# KiCad board enclosurefinal01.kicad_pcb (continued)
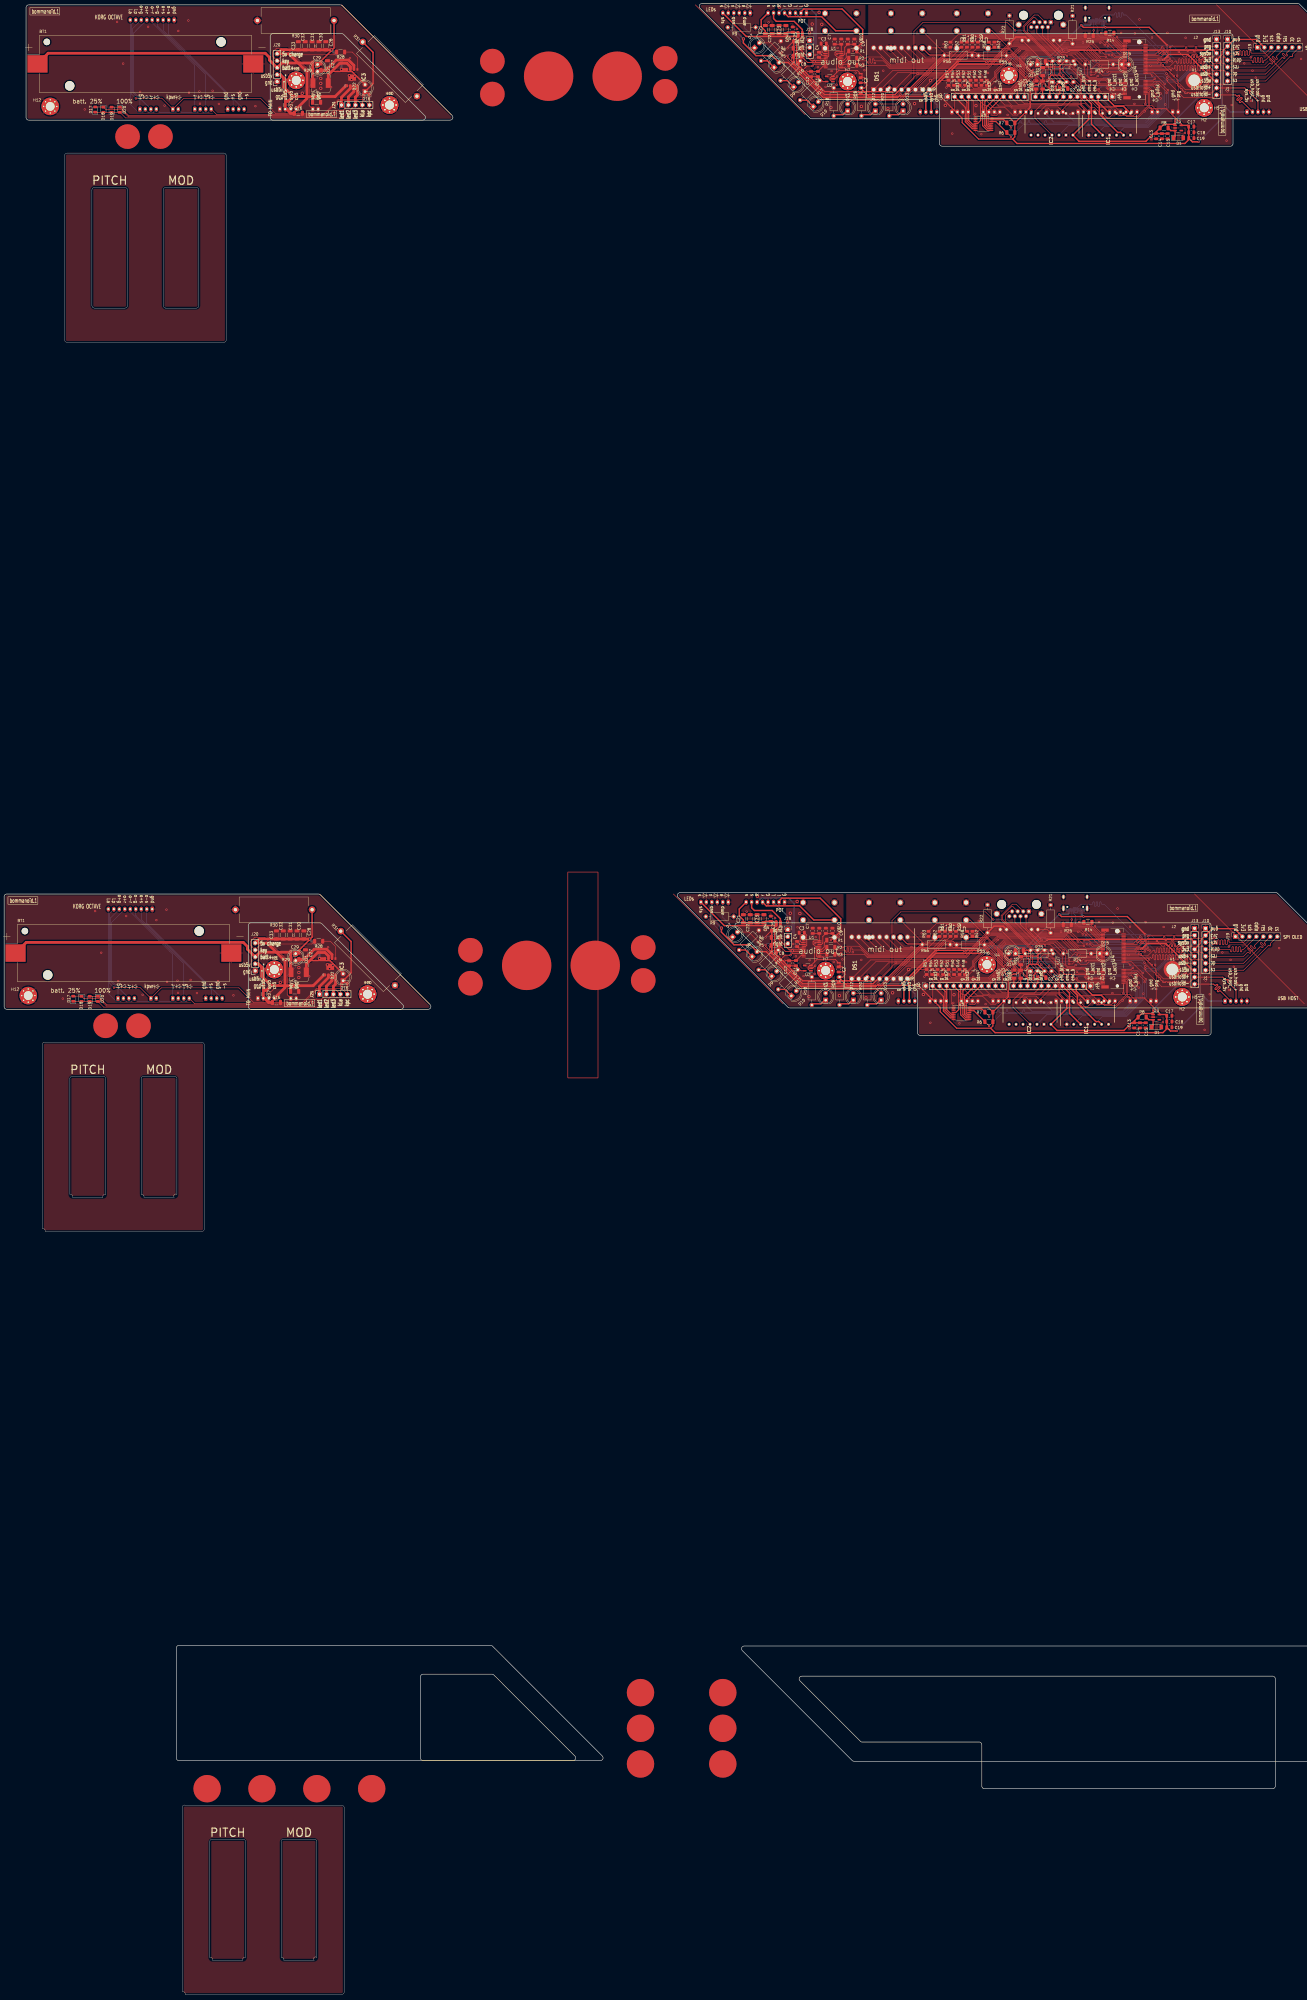
[diagram p0: board, top side]
## Routing (per net, layer and track width the routed paths; a pad name or vN(x,y) marks a point on that pad's centre or on a via; arc(x,y) is an arc through that point) (continued)
/bommanoid_main_top/3v3: length 498.7
  Top w0.3: v1(416.06,688.9) 416.11,688.96 U4#2.2 ; NT1.1 312.76,699 C2#2.1 313.66,698.5 314.6,697.55 314.6,695.65 313.66,694.7 C1.1 ; v1(417.91,687.44) 418.21,687.14 423.67,687.14 429.15,681.66 U3#2.5 ; v1(409.91,363.44) 410.21,363.14 415.67,363.14 421.15,357.66 U3.5 ; C1#2.1 305.66,370.7 306.6,371.65 306.6,373.55 305.66,374.5 C2.1 304.76,375 NT1#2.1 ; U4.2 408.11,364.96 v1(408.06,364.9)
  Top w0.4: R11.1 R12#2.2 377.04,695.7 375.46,695.7 374.06,694.3 374.06,687.59 R7#2.2 ; U5.16 358.69,359.78 R7.2 ; C1.1 315.26,691.7 341.26,691.7 349.26,683.7 349.26,682.1 355.26,676.1 367.66,676.1 368.46,676.91 R6#2.2 R7#2.2 ; R11#2.1 R12.2 369.04,371.7 367.46,371.7 366.06,370.3 366.06,363.59 R7.2 ; R7.2 R6.2 360.46,352.91 359.66,352.1 347.26,352.1 341.26,358.1 341.26,359.7 333.26,367.7 307.26,367.7 C1#2.1 ; U5#2.16 366.69,683.78 R7#2.2
  Top w0.5: C19.1 C17.1 423.39,357.1 U3.5 ; C19.1 425.19,351.1 v1(427.46,351.1) ; C19.1 423.84,351.88 422.46,350.5 361.26,350.5 359.66,352.1 ; C19#2.1 431.84,675.88 430.46,674.5 369.26,674.5 367.66,676.1 ; C19#2.1 433.19,675.1 v1(435.46,675.1) ; C19#2.1 C17#2.1 431.39,681.1 U3#2.5
  Bottom w0.3: v1(408.06,364.9) 409.51,363.44 v1(409.91,363.44) ; v1(416.06,688.9) 417.51,687.44 v1(417.91,687.44)
  Bottom w0.4: 446,710.04 444.75,708.79 444.75,707.78 442,705.03 ; 434,381.03 436.75,383.78 436.75,384.79 438,386.04
  Bottom w0.5: v1(435.46,675.1) 444.06,683.7 444.06,702.83 J2#2.4 ; J2.4 436.06,378.83 436.06,359.7 v1(427.46,351.1)
/bommanoid_main_top/a3v3: length 59
  Top w0.3: v1(291.46,385.1) 291.51,385.04 U1#2.1 ; v1(299.46,709.1) 299.51,709.04 U1.1 ; U1#2.8 287.33,379.38 v1(286.66,378.7) 284.66,378.7 283.46,377.5 283.46,376.1 284.71,374.85 C12.1 C11#2.1 290.48,373.05 U2#2.5 ; U1.8 295.33,703.38 v1(294.66,702.7) 292.66,702.7 291.46,701.5 291.46,700.1 292.71,698.85 C12#2.1 C11.1 298.48,697.05 U2.5
  Bottom w0.3: v1(294.66,702.7) 294.66,704.3 v1(299.46,709.1) ; v1(291.46,385.1) 286.66,380.3 v1(286.66,378.7)
/bommanoid_main_top/agnd: length 15.8
  Top w0.3: v1(292.46,700.7) 292.51,700.75 C12#2.2 C11.2 298.65,702.73 U1.9 ; U1#2.9 290.65,378.73 C11#2.2 C12.2 284.51,376.75 v1(284.46,376.7)
  vias: v1(275.66,383.7) v1(277.46,387.9) v1(280.86,377.7) v1(283.66,707.7) v1(285.46,711.9) v1(287.6,382.8) v1(288.66,378.3) v1(288.86,701.7) v1(289.26,388.9) v1(291.46,371.1) v1(295.6,706.8) v1(296.66,702.3) v1(297.26,712.9) v1(299.46,695.1)
/bommanoid_main_top/d3v3: length 61.8
  Top w0.3: NT1#2.2 303.76,376.4 303.06,377.1 296.29,377.1 295.47,376.28 ; U1.17 304.51,705.98 ; 304.51,705.98 303.72,705.98 302.91,706.79 302.91,707.61 303.22,707.93 U1.20 305.18,707.99 C10.2 C7#2.2 ; 304.51,705.98 304.46,705.98 303.47,704.99 303.47,700.28 ; 301.72,698.95 301.13,698.36 301.13,697.64 301.72,697.05 ; C7.2 C10#2.2 297.18,383.99 U1#2.20 295.22,383.93 294.91,383.61 294.91,382.79 295.72,381.98 296.51,381.98 ; 303.47,700.28 U2.3 ; 303.47,700.28 304.29,701.1 311.06,701.1 311.76,700.4 NT1.2 ; 293.72,373.05 293.13,373.64 293.13,374.36 293.72,374.95 ; 295.47,376.28 295.47,380.99 296.46,381.98 296.51,381.98 ; 295.47,376.28 U2#2.3 ; 296.51,381.98 U1#2.17
/bommanoid_main_top/gnd: length 162.1
  Top w0.2: 399.94,386.75 397.66,389.03 v1(397.66,389.3) ; v1(402.46,694.3) 403.01,693.75 U4#2.7 ; U4.7 395.01,369.75 v1(394.46,370.3) ; U4#2.45 399.41,703.25 v1(399.06,702.9) ; U4.39 392.91,377.75 v1(391.46,376.3) 392.35,375.4 394.54,375.4 395.39,376.25 U4.33 ; U4#2.39 400.91,701.75 v1(399.46,700.3) 400.35,699.4 402.54,699.4 403.39,700.25 U4#2.33 ; U5.3 U5.1 ; U4.1 396.69,368.25 ; U5#2.3 U5#2.1 ; v1(418.46,375.1) 416.56,377 U4.36 ; U4#2.36 424.56,701 v1(426.46,699.1) ; v1(405.66,713.3) 405.66,713.03 407.94,710.75 ; U4#2.1 404.69,692.25 ; U4.45 391.41,379.25 v1(391.06,378.9)
  Top w0.3: U1#2.19 295.83,383.28 v1(295.66,383.1) ; v1(313.86,696.5) 313.76,696.6 C2#2.2 ; v1(295.66,374.9) 294.76,374 U2#2.2 ; v1(305.86,372.5) 305.76,372.6 C2.2 ; U1.16 304.51,705.33 304.15,704.96 304.15,702.44 304.51,702.08 U1.11 306.63,702.08 v1(306.66,702.1) ; v1(298.66,378.1) 298.63,378.08 U1#2.11 296.51,378.08 296.15,378.44 296.15,380.96 296.51,381.33 U1#2.16 ; U2.2 302.76,698 v1(303.66,698.9) ; U1.19 303.83,707.28 v1(303.66,707.1)
  Bottom w0.2: J3#2.1 403.94,692.82 v1(402.46,694.3) ; v1(391.06,378.9) 389.46,378.9 386.86,381.5 382.8,381.5 U7.5 ; U7#2.5 390.8,705.5 394.86,705.5 397.46,702.9 v1(399.06,702.9) ; J3.1 395.94,368.82 v1(394.46,370.3)
  vias: v1(293.66,376.9) v1(295.46,371.9) v1(295.86,385.3) v1(301.46,384.3) v1(301.66,700.9) v1(302.46,376.3) v1(303.46,695.9) v1(303.86,709.3) v1(304.3,385.5) v1(305.46,367.5) v1(305.6,377.2) v1(309.46,708.3) v1(309.4,379.8) v1(310.46,700.3) v1(312.3,709.5) v1(312.5,377) v1(313.46,691.5) v1(313.6,701.2) v1(317.4,703.8) v1(320.5,701) v1(337,383.6) v1(337.66,354.1) v1(345,707.6) v1(345.66,678.1) v1(346.04,361.33) v1(348.26,353.9) v1(350.7,376.2) v1(353.66,361.7) v1(354.04,685.33) v1(356.26,677.9) v1(358.7,700.2) v1(361.66,685.7) v1(366.06,381.1) v1(374.06,705.1) v1(404.06,364.9) v1(410.26,352.1) v1(410.46,389.1) v1(412.06,688.9) v1(418.26,676.1) v1(418.46,713.1) v1(422.46,354.3) v1(430.46,678.3) v1(437.66,351.5) v1(445.66,675.5)
/bommanoid_batt_bottom/batt+: length 183.4
  Top w1: BT1#2.1 8.05,383.38 87.2,383.38 88.7,381.88 88.7,380.91 J23#2.3 ; J23.3 96.7,704.91 96.7,705.88 95.2,707.38 16.05,707.38 BT1.1
/bommanoid_batt_bottom/chargeled_1: length 185.4
  Top w0.2: D18#2.1 36.99,686.95 42.59,686.95 45.33,684.2 119.2,684.2 v2(120.5,685.5) ; D18.1 28.99,362.95 34.59,362.95 37.33,360.2 111.2,360.2 v2(112.5,361.5) ; D17#2.2 36.14,687.8 ; D17.2 28.14,363.8
  Bottom w0.2: v2(120.5,685.5) 122.96,687.96 ; v2(112.5,361.5) 114.96,363.96
/bommanoid_batt_bottom/chargeled_2: length 178.1
  Top w0.2: J24#2.2 123.5,686.5 120.23,686.5 118.33,684.6 45.5,684.6 42.36,687.74 ; D19#2.2 D20#2.1 ; 34.36,363.74 37.5,360.6 110.33,360.6 112.23,362.5 115.5,362.5 J24.2 ; D19.2 D20.1
/bommanoid_batt_bottom/chargeled_3: length 195.2
  Top w0.2: 25.26,361.86 D20.2 36.26,359.8 115.34,359.8 J24.3 ; J24#2.3 123.34,683.8 44.26,683.8 D20#2.2 33.26,685.86
/bommanoid_batt_bottom/key: length 71.3
  Top w0.2: J23.4 97.9,706.25 97.9,707.8 99.3,709.2 103,709.2 111.2,701 111.2,688.3 J26.1 ; J26#2.1 103.2,364.3 103.2,377 95,385.2 91.3,385.2 89.9,383.8 89.9,382.25 J23#2.4
/bommanoid_batt_bottom/korg_led_anode: length 249.1
  Top w0.2: J24.4 120.98,366.1 113.97,366.1 108.87,361 69.5,361 J55.4 ; J55#2.4 77.5,685 116.87,685 121.97,690.1 128.98,690.1 J24#2.4
  Bottom w0.2: J25#2.9 46,688.75 48.92,685.83 50.33,685.83 J58#2.2 52.68,685.83 54.33,685.83 J58#2.4 56.68,685.83 62.33,685.83 J54.2 64.68,685.83 70.33,685.83 J55#2.2 72.68,685.83 74.33,685.83 J55#2.4 ; J55.4 66.33,361.83 64.68,361.83 J55.2 62.33,361.83 56.68,361.83 J54#2.2 54.33,361.83 48.68,361.83 J58.4 46.33,361.83 44.68,361.83 J58.2 42.33,361.83 40.92,361.83 38,364.75 J25.9
/bommanoid_batt_bottom/korg_power_led_cathode: length 246.9
  Top w0.2: v1(40.04,366.91) 40.13,367 49.5,367 J54#2.1 57.3,366.8 85.6,366.8 91,361.4 108.7,361.4 113.8,366.5 123.12,366.5 J24.5 ; v1(48.04,690.91) 48.13,691 57.5,691 J54.1 65.3,690.8 93.6,690.8 99,685.4 116.7,685.4 121.8,690.5 131.12,690.5 J24#2.5
  Bottom w0.2: J25#2.8 46.4,717.9 46.4,692.54 v1(48.04,690.91) ; J25.8 38.4,393.9 38.4,368.54 v1(40.04,366.91)
/bommanoid_batt_bottom/oct_down_green_cathode: length 79.5
  Bottom w0.2: J25.4 48,393.17 65.5,375.67 J55.3 ; J25#2.4 56,717.17 73.5,699.67 J55#2.3
/bommanoid_batt_bottom/oct_down_red_cathode: length 77.8
  Bottom w0.2: J25.5 46,394.5 61.5,379 J55.1 ; J25#2.5 54,718.5 69.5,703 J55#2.1
/bommanoid_batt_bottom/oct_down_sw: length 87.6
  Bottom w0.2: 87.3,687 60,714.3 J25#2.2 ; 79.3,363 52,390.3 J25.2
/bommanoid_batt_bottom/oct_up_green_cathode: length 69.9
  Bottom w0.2: J25#2.7 46.8,716.3 46.8,693.13 49.5,690.44 J58#2.1 ; J58.1 41.5,366.44 38.8,369.13 38.8,392.3 J25.7
/bommanoid_batt_bottom/oct_up_red_cathode: length 74.2
  Bottom w0.2: J25.6 39.2,390.7 39.2,369.3 J58.3 ; J25#2.6 47.2,714.7 47.2,693.3 J58#2.3
/bommanoid_batt_bottom/oct_up_sw: length 86.1
  Bottom w0.2: J25.3 50,391.74 75.5,366.24 J53#2.2 ; J25#2.3 58,715.74 83.5,690.24 J53.2
/bommanoid_batt_bottom/sys_5v: length 74.2
  Top w0.2: J34#2.3 96.5,364.6 v2(100.7,368.8) ; J34.3 104.5,688.6 v2(108.7,692.8)
  Top w0.5: D21.2 126.76,700.76 D22#2.2 ; D21#2.2 118.76,376.76 D22.2
  Bottom w0.2: v2(100.7,368.8) 106.28,374.38 D21#2.2 ; v2(108.7,692.8) 114.28,698.38 D21.2
/bommanoid_batt_bottom/usb_5v: length 29
  Top w1: J34.2 102.5,697.77 100.73,699.54 J23.2 ; J23#2.2 92.73,375.54 94.5,373.77 J34#2.2
/bommanoid_batt_top/batt+: length 41.8
  Top w1: J20#2.3 93.25,379.8 C29#2.1 104.5,372.58 ; 112.5,696.58 C29.1 101.25,703.8 J20.3
/bommanoid_batt_top/chargeled_1: length 16.8
  Top w1: J21.1 122.96,691.29 126.24,694.57 IC3#2.2 ; J21#2.1 114.96,367.29 118.24,370.57 IC3.2
/bommanoid_batt_top/chargeled_2: length 15.7
  Top w1: IC3#2.3 127.51,693.44 125.5,691.43 J21.2 ; IC3.3 119.51,369.44 117.5,367.43 J21#2.2
/bommanoid_batt_top/chargeled_3: length 14.7
  Top w1: J21#2.3 120.04,367.37 120.78,368.11 IC3.4 ; J21.3 128.04,691.37 128.78,692.11 IC3#2.4
/bommanoid_batt_top/charger output +5v: length 62.1
  Top w1: v2(119.38,708.6) 117.3,708.6 ; v2(122.98,701.5) 123,701.48 IC3#2.8 ; J20#2.5 92.99,384.63 C33.1 C28#2.1 ; C28.1 C33#2.1 100.99,708.63 J20.5 ; v2(114.98,377.5) 115,377.48 IC3.8 ; v2(111.38,384.6) 109.3,384.6
  Bottom w1: v2(111.38,384.6) 114.98,381 v2(114.98,377.5) ; v2(119.38,708.6) 122.98,705 v2(122.98,701.5)
/bommanoid_batt_top/key: length 46
  Top w0.2: R28.2 120.21,706.8 101.71,706.8 J20.4 ; R28#2.2 112.21,382.8 93.71,382.8 J20#2.4
/bommanoid_batt_top/korg_power_led_anode: length 8.3
  Top w0.2: D16.2 130.58,691.84 J21.4 ; D16#2.2 122.58,367.84 J21#2.4
/bommanoid_batt_top/korg_power_led_cathode: length 7.6
  Top w0.2: 125.12,368.29 J21#2.5 ; 133.12,692.29 J21.5
/bommanoid_batt_top/usb_5v: length 74.1
  Top w1: R27.1 103.74,689.96 105.38,691.6 ; 105.38,691.6 112.28,691.6 ; 105.38,691.6 101.88,695.1 101.88,698.39 100.73,699.54 J20.2 ; 112.28,691.6 112.38,691.5 112.38,690.08 ; 112.28,691.6 120.68,691.6 124.6,695.53 IC3#2.1 ; 97.38,367.6 95.74,365.96 R27#2.1 ; 97.38,367.6 104.28,367.6 ; 97.38,367.6 93.88,371.1 93.88,374.39 92.73,375.54 J20#2.2 ; 104.28,367.6 112.68,367.6 116.6,371.53 IC3.1 ; 104.28,367.6 104.38,367.5 104.38,366.08
/bommanoid_main_bottom/aleft_post_pot: length 67.5
  Top w0.5: J12.6 313,711.49 313,716 305.5,723.5 291.5,723.5 290.5,722.5 ; 282.5,398.5 283.5,399.5 297.5,399.5 305,392 305,387.49 J12#2.6
/bommanoid_main_bottom/aleft_pre_pot: length 32.1
  Bottom w0.5: J18#2.2 287.3,387.06 287.3,391.25 J33.3 ; J33#2.3 295.3,715.25 295.3,711.06 J18.2
/bommanoid_main_bottom/amp_5v: length 286
  Top w0.2: v1(360.58,391.7) 357.78,394.5 326.88,394.5 323.68,391.3 323.68,374.18 317.25,367.75 290.87,367.75 271.47,387.15 D7#2.2 ; D7.2 279.47,711.15 298.87,691.75 325.25,691.75 331.68,698.18 331.68,715.3 334.88,718.5 365.78,718.5 v1(368.58,715.7)
  Bottom w0.2: J22.2 270,716.5 D7.2 ; J17#2.8 365.25,391.7 v1(360.58,391.7) ; J22#2.2 262,392.5 D7#2.2 ; v1(368.58,715.7) 373.25,715.7 J17.8
/bommanoid_main_bottom/aright_post_pot: length 57.8
  Top w0.5: J12#2.5 295.16,391.55 290.01,396.7 277.85,396.7 J33.5 ; J33#2.5 285.85,720.7 298.01,720.7 303.16,715.55 J12.5
/bommanoid_main_bottom/aright_pre_pot: length 61.1
  Bottom w0.5: J33#2.6 284.05,723.6 293.9,723.6 296,721.5 296,709.22 J18.3 ; J18#2.3 288,385.22 288,397.5 285.9,399.6 276.05,399.6 J33.6
/bommanoid_main_bottom/btn_x1: length 11.8
  Top w0.2: J49.2 338.54,362.96 J16#2.2 ; J16.2 346.54,686.96 J49#2.2
/bommanoid_main_bottom/btn_x2: length 13
  Top w0.2: J49#2.4 351.5,689.08 J16.3 ; J49.4 343.5,365.08 J16#2.3
/bommanoid_main_bottom/btn_x3: length 27.3
  Top w0.2: J16#2.4 345.3,365.82 345.3,361.1 345.9,360.5 349.5,360.5 J50#2.2 ; J16.4 353.3,689.82 353.3,685.1 353.9,684.5 357.5,684.5 J50.2
/bommanoid_main_bottom/btn_x4: length 26.9
  Top w0.2: J16#2.5 349.26,364.4 350.5,364.4 352.1,362.8 352.1,360.7 353.7,360.7 J50#2.4 ; J50.4 361.7,684.7 360.1,684.7 360.1,686.8 358.5,688.4 357.26,688.4 J16.5
/bommanoid_main_bottom/btn_x5: length 34.1
  Top w0.2: J16.6 360.5,687.7 364.8,687.7 367.68,684.83 369.33,684.83 J51.2 ; J51#2.2 361.33,360.83 359.68,360.83 356.8,363.7 352.5,363.7 J16#2.6
/bommanoid_main_bottom/btn_x6: length 35.1
  Top w0.2: J51.4 373.1,687.4 367.29,687.4 366.59,688.1 362.64,688.1 J16.7 ; J51#2.4 365.1,363.4 359.29,363.4 358.59,364.1 354.64,364.1 J16#2.7
/bommanoid_main_bottom/btn_x7: length 45
  Top w0.2: J7#2.2 372.6,363.4 365.78,363.4 365.38,363.8 359.45,363.8 358.76,364.5 356.78,364.5 J16#2.8 ; J7.2 380.6,687.4 373.78,687.4 373.38,687.8 367.45,687.8 366.76,688.5 364.78,688.5 J16.8
/bommanoid_main_bottom/btn_x8: length 47.9
  Top w0.2: J16#2.9 359.62,364.2 365.55,364.2 365.94,363.8 376.2,363.8 J7#2.4 ; J7.4 384.2,687.8 373.94,687.8 373.55,688.2 367.62,688.2 J16.9
/bommanoid_main_bottom/chargeoutp_5v: length 141.5
  Top w0.5: NT4#2.2 288.9,711.4 288.9,703.6 299.1,693.4 v1(324.1,693.4) ; NT4.2 280.9,387.4 280.9,379.6 291.1,369.4 v1(316.1,369.4)
  Bottom w0.5: v1(316.1,369.4) 327.3,369.4 332,364.7 J8.4 ; J8#2.4 340,688.7 335.3,693.4 v1(324.1,693.4)
/bommanoid_main_bottom/enc_a: length 56.8
  Top w0.2: J16.11 371.9,689 373.88,689 374.27,688.6 392.9,688.6 J52.3 ; J16#2.11 363.9,365 365.88,365 366.27,364.6 384.9,364.6 J52#2.3
/bommanoid_main_bottom/enc_b: length 54.9
  Top w0.2: 389.09,362 386.09,365 366.44,365 J16#2.12 ; 397.09,686 394.09,689 374.44,689 J16.12
/bommanoid_main_bottom/enc_btn: length 57.8
  Top w0.2: J16#2.10 361.76,364.6 365.71,364.6 366.11,364.2 383.3,364.2 J52#2.2 ; J52.2 391.3,688.2 374.11,688.2 373.71,688.6 369.76,688.6 J16.10
/bommanoid_main_bottom/led_act1_5v: length 314
  Top w0.2: J17#2.5 367.77,396.4 367.24,396.4 363.98,393.14 363.98,391.69 376.68,378.99 v1(376.68,375.8) 376.68,375.7 384.39,367.99 384.39,367.26 388.05,363.6 389.45,363.6 392.95,360.1 395.1,360.1 J57.2 ; v1(376.48,695.8) 376.21,695.8 374.99,697.02 374.99,697.12 366,706.1 342.16,706.1 326.22,690.15 308.77,690.15 D11#2.2 ; D11.2 300.77,366.15 318.22,366.15 334.16,382.1 358,382.1 366.99,373.12 366.99,373.02 368.21,371.8 v1(368.48,371.8) ; J57#2.2 403.1,684.1 400.95,684.1 397.45,687.6 396.05,687.6 392.39,691.26 392.39,691.99 384.68,699.7 v1(384.68,699.8) 384.68,702.99 371.98,715.69 371.98,717.14 375.24,720.4 375.77,720.4 J17.5
  Bottom w0.2: v1(368.48,371.8) 372.48,375.8 v1(376.68,375.8) ; J57.2 392.65,366.35 392.01,366.35 J15#2.3 ; v1(376.48,695.8) 380.48,699.8 v1(384.68,699.8) ; J15.3 400.01,690.35 400.65,690.35 J57#2.2
/bommanoid_main_bottom/led_act2_5v: length 261.3
  Top w0.2: v1(377.88,382.1) 377.08,382.1 368.48,390.69 J17#2.6 ; v1(377.98,377.4) 377.98,376.9 383.98,370.9 384.92,370.9 J15#2.4 391.82,364 400.1,364 401,363.1 J57.4 ; D12.2 317.51,364.88 334.23,381.6 357.58,381.6 365.68,373.5 v1(365.68,373.4) ; v1(385.98,701.4) 385.98,700.9 391.98,694.9 392.92,694.9 J15.4 399.82,688 408.1,688 409,687.1 J57#2.4 ; D12#2.2 325.51,688.88 342.23,705.6 365.58,705.6 373.68,697.5 v1(373.68,697.4) ; v1(385.88,706.1) 385.08,706.1 376.48,714.69 J17.6
  Bottom w0.2: v1(377.88,382.1) 377.88,377.5 v1(377.98,377.4) 369.68,377.4 v1(365.68,373.4) ; v1(385.88,706.1) 385.88,701.5 v1(385.98,701.4) 377.68,701.4 v1(373.68,697.4)
/bommanoid_main_bottom/led_act3_5v: length 267.9
  Top w0.2: v1(365.58,371.2) 364.98,371.8 364.98,373.57 357.35,381.2 334.5,381.2 319.72,366.42 D13#2.2 ; J17.7 374.4,718.68 372.98,717.25 372.98,715.25 385.07,703.15 385.07,700.39 386.12,699.34 v1(386.12,699.24) 386.12,699.16 J15.5 394.69,691.5 398.69,687.5 405.4,687.5 406.1,686.8 406.1,685.2 406.6,684.7 411.7,684.7 J57#2.6 ; D13.2 327.72,690.42 342.5,705.2 365.35,705.2 372.98,697.57 372.98,695.8 v1(373.58,695.2) ; J57.6 403.7,360.7 398.6,360.7 398.1,361.2 398.1,362.8 397.4,363.5 390.69,363.5 386.69,367.5 J15#2.5 378.12,375.16 v1(378.12,375.24) 378.12,375.34 377.07,376.39 377.07,379.15 364.98,391.25 364.98,393.25 366.4,394.68 J17#2.7
  Bottom w0.2: v1(365.58,371.2) 365.68,371.1 373.98,371.1 v1(378.12,375.24) ; v1(373.58,695.2) 373.68,695.1 381.98,695.1 v1(386.12,699.24)
/bommanoid_main_bottom/led_blink_5v: length 329.8
  Top w0.2: v1(379.48,382.3) 378.98,382.8 377.59,382.8 370.51,389.87 J17#2.4 ; D10.2 297.64,690.55 326.05,690.55 342,706.5 366.6,706.5 375.68,697.41 v1(375.68,697.31) ; v1(380.98,374.9) 384.07,371.8 389.1,371.8 J15#2.2 396.5,364.4 410.38,364.4 412.5,362.28 ; v1(388.98,698.9) 392.07,695.8 397.1,695.8 J15.2 404.5,688.4 418.38,688.4 420.5,686.28 ; v1(387.48,706.3) 386.98,706.8 385.59,706.8 378.51,713.87 J17.4 ; D10#2.2 289.64,366.55 318.05,366.55 334,382.5 358.6,382.5 367.68,373.41 v1(367.68,373.31)
  Bottom w0.2: v1(367.68,373.31) 370.88,376.5 379.38,376.5 v1(380.98,374.9) 379.48,376.4 v1(379.48,382.3) ; v1(375.68,697.31) 378.88,700.5 387.38,700.5 v1(388.98,698.9) 387.48,700.4 v1(387.48,706.3)
/bommanoid_main_bottom/led_rj45_green_5v: length 58.8
  Top w0.2: v1(376.7,371.2) 373.48,374.43 373.48,380.1 371.98,381.6 369.62,381.6 J17#2.12 ; v1(384.7,695.2) 381.48,698.43 381.48,704.1 379.98,705.6 377.62,705.6 J17.12
  Bottom w0.2: J15.7 385,695.2 v1(384.7,695.2) ; J15#2.7 377,371.2 v1(376.7,371.2)
/bommanoid_main_bottom/led_rj45_yellow_5v: length 53.8
  Top w0.2: v1(374.88,378.9) 374.88,375.87 J15#2.6 ; J15.6 382.88,699.87 v1(382.88,702.9) ; J17#2.10 378.18,384.47 v1(378.18,384.28) ; J17.10 386.18,708.47 v1(386.18,708.28)
  Bottom w0.2: v1(374.88,378.9) 374.88,380.98 v1(378.18,384.28) ; v1(386.18,708.28) 382.88,704.98 v1(382.88,702.9)
/bommanoid_main_bottom/midi_in_ring: length 69
  Top w0.2: 383.52,692.16 360.13,715.55 J14#2.5 ; 375.52,368.16 352.13,391.55 J14.5
/bommanoid_main_bottom/midi_in_tip: length 62.4
  Top w0.2: J15.10 381.08,694.03 365.91,709.2 J14#2.6 ; J15#2.10 373.08,370.03 357.91,385.2 J14.6
/bommanoid_main_bottom/midi_out_ring: length 112.9
  Top w0.2: J11.5 334.77,383.5 359.05,383.5 370.54,372.01 J15#2.11 ; J15.11 378.54,696.01 367.05,707.5 342.77,707.5 J11#2.5
/bommanoid_main_bottom/midi_out_tip: length 108.4
  Top w0.2: J15.12 378.14,693.64 378.14,695.84 366.99,707 336.92,707 J11#2.6 ; J15#2.12 370.14,369.64 370.14,371.84 358.99,383 328.92,383 J11.6
/bommanoid_main_bottom/oled_cs: length 64
  Top w0.2: J19#2.7 461.66,383.04 arc(461.57,382.83) 461.66,382.62 461.7,382.57 arc(461.79,382.36) 461.7,382.15 arc(461.49,382.06) 461.28,382.15 461.24,382.19 arc(461.02,382.28) 460.81,382.19 451.88,373.26 J10#2.7 ; J19.7 469.66,707.04 arc(469.57,706.83) 469.66,706.62 469.7,706.57 arc(469.79,706.36) 469.7,706.15 arc(469.49,706.06) 469.28,706.15 469.24,706.19 arc(469.02,706.28) 468.81,706.19 459.88,697.26 J10.7
/bommanoid_main_bottom/oled_data: length 64
  Top w0.2: J19#2.4 451.88,380.88 451.52,380.88 arc(451.31,380.79) 451.22,380.58 451.22,380.21 arc(451.13,379.99) 450.92,379.91 arc(450.71,379.99) 450.62,380.21 450.62,381.55 arc(450.53,381.77) 450.32,381.85 arc(450.11,381.77) 450.02,381.55 450.02,380.21 arc(449.93,379.99) 449.72,379.91 arc(449.51,379.99) 449.42,380.21 449.42,381.55 arc(449.33,381.77) 449.12,381.85 arc(448.91,381.77) 448.82,381.55 448.82,380.21 arc(448.73,379.99) 448.52,379.91 arc(448.31,379.99) 448.22,380.21 448.22,381.55 arc(448.13,381.77) 447.92,381.85 arc(447.71,381.77) 447.62,381.55 447.62,380.21 arc(447.53,379.99) 447.32,379.91 arc(447.11,379.99) 447.02,380.21 447.02,380.58 arc(446.93,380.79) 446.72,380.88 J10#2.4 ; J19.4 459.88,704.88 459.52,704.88 arc(459.31,704.79) 459.22,704.58 459.22,704.21 arc(459.13,703.99) 458.92,703.91 arc(458.71,703.99) 458.62,704.21 458.62,705.55 arc(458.53,705.77) 458.32,705.85 arc(458.11,705.77) 458.02,705.55 458.02,704.21 arc(457.93,703.99) 457.72,703.91 arc(457.51,703.99) 457.42,704.21 457.42,705.55 arc(457.33,705.77) 457.12,705.85 arc(456.91,705.77) 456.82,705.55 456.82,704.21 arc(456.73,703.99) 456.52,703.91 arc(456.31,703.99) 456.22,704.21 456.22,705.55 arc(456.13,705.77) 455.92,705.85 arc(455.71,705.77) 455.62,705.55 455.62,704.21 arc(455.53,703.99) 455.32,703.91 arc(455.11,703.99) 455.02,704.21 455.02,704.58 arc(454.93,704.79) 454.72,704.88 J10.4
/bommanoid_main_bottom/oled_dc: length 64
  Top w0.2: J19.6 467.54,707.46 arc(467.45,707.25) 467.54,707.04 467.76,706.82 arc(467.84,706.61) 467.76,706.4 arc(467.54,706.31) 467.33,706.4 466.48,707.25 arc(466.26,707.34) 466.05,707.25 arc(465.96,707.04) 466.05,706.83 466.91,705.97 arc(467,705.76) 466.91,705.55 arc(466.7,705.46) 466.48,705.55 466.27,705.76 arc(466.06,705.85) 465.84,705.76 459.88,699.8 J10.6 ; J19#2.6 459.54,383.46 arc(459.45,383.25) 459.54,383.04 459.76,382.82 arc(459.84,382.61) 459.76,382.4 arc(459.54,382.31) 459.33,382.4 458.48,383.25 arc(458.26,383.34) 458.05,383.25 arc(457.96,383.04) 458.05,382.83 458.91,381.97 arc(459,381.76) 458.91,381.55 arc(458.7,381.46) 458.48,381.55 458.27,381.76 arc(458.06,381.85) 457.84,381.76 451.88,375.8 J10#2.6
/bommanoid_main_bottom/oled_rst: length 64
  Top w0.2: J10.5 459.88,702.34 461.27,703.73 arc(461.49,703.82) 461.7,703.73 461.95,703.48 arc(462.16,703.4) 462.37,703.48 arc(462.46,703.7) 462.37,703.91 461.45,704.83 arc(461.36,705.05) 461.45,705.26 arc(461.66,705.35) 461.87,705.26 462.8,704.33 arc(463.01,704.24) 463.22,704.33 arc(463.31,704.54) 463.22,704.76 462.3,705.68 arc(462.21,705.89) 462.3,706.11 arc(462.51,706.19) 462.72,706.11 463.65,705.18 arc(463.86,705.09) 464.07,705.18 arc(464.16,705.39) 464.07,705.61 463.82,705.86 arc(463.73,706.07) 463.82,706.28 J19.5 ; J10#2.5 451.88,378.34 453.27,379.73 arc(453.49,379.82) 453.7,379.73 453.95,379.48 arc(454.16,379.4) 454.37,379.48 arc(454.46,379.7) 454.37,379.91 453.45,380.83 arc(453.36,381.05) 453.45,381.26 arc(453.66,381.35) 453.87,381.26 454.8,380.33 arc(455.01,380.24) 455.22,380.33 arc(455.31,380.54) 455.22,380.76 454.3,381.68 arc(454.21,381.89) 454.3,382.11 arc(454.51,382.19) 454.72,382.11 455.65,381.18 arc(455.86,381.09) 456.07,381.18 arc(456.16,381.39) 456.07,381.61 455.82,381.86 arc(455.73,382.07) 455.82,382.28 J19#2.5
/bommanoid_main_bottom/oled_sck: length 64
  Top w0.2: J10.3 448.22,707.42 arc(448.43,707.33) 448.52,707.12 448.52,706.8 arc(448.61,706.59) 448.82,706.5 arc(449.03,706.59) 449.12,706.8 449.12,707.84 arc(449.21,708.05) 449.42,708.14 arc(449.63,708.05) 449.72,707.84 449.72,706.8 arc(449.81,706.59) 450.02,706.5 arc(450.23,706.59) 450.32,706.8 450.32,708.04 arc(450.41,708.25) 450.62,708.34 arc(450.83,708.25) 450.92,708.04 450.92,706.8 arc(451.01,706.59) 451.22,706.5 arc(451.43,706.59) 451.52,706.8 451.52,708.04 arc(451.61,708.25) 451.82,708.34 arc(452.03,708.25) 452.12,708.04 452.12,706.8 arc(452.21,706.59) 452.42,706.5 arc(452.63,706.59) 452.72,706.8 452.72,708.04 arc(452.81,708.25) 453.02,708.34 arc(453.23,708.25) 453.32,708.04 453.32,706.8 arc(453.41,706.59) 453.62,706.5 arc(453.83,706.59) 453.92,706.8 453.92,708.04 arc(454.01,708.25) 454.22,708.34 arc(454.43,708.25) 454.52,708.04 454.52,707.72 arc(454.61,707.51) 454.82,707.42 459.88,707.42 J19.3 ; J10#2.3 440.22,383.42 arc(440.43,383.33) 440.52,383.12 440.52,382.8 arc(440.61,382.59) 440.82,382.5 arc(441.03,382.59) 441.12,382.8 441.12,383.84 arc(441.21,384.05) 441.42,384.14 arc(441.63,384.05) 441.72,383.84 441.72,382.8 arc(441.81,382.59) 442.02,382.5 arc(442.23,382.59) 442.32,382.8 442.32,384.04 arc(442.41,384.25) 442.62,384.34 arc(442.83,384.25) 442.92,384.04 442.92,382.8 arc(443.01,382.59) 443.22,382.5 arc(443.43,382.59) 443.52,382.8 443.52,384.04 arc(443.61,384.25) 443.82,384.34 arc(444.03,384.25) 444.12,384.04 444.12,382.8 arc(444.21,382.59) 444.42,382.5 arc(444.63,382.59) 444.72,382.8 444.72,384.04 arc(444.81,384.25) 445.02,384.34 arc(445.23,384.25) 445.32,384.04 445.32,382.8 arc(445.41,382.59) 445.62,382.5 arc(445.83,382.59) 445.92,382.8 445.92,384.04 arc(446.01,384.25) 446.22,384.34 arc(446.43,384.25) 446.52,384.04 446.52,383.72 arc(446.61,383.51) 446.82,383.42 451.88,383.42 J19#2.3
/bommanoid_main_bottom/pot_sw1: length 30.4
  Top w0.5: NT4#2.1 291,716 288,719 281.5,719 280.5,720 J33#2.7 ; NT4.1 283,392 280,395 273.5,395 272.5,396 J33.7
/bommanoid_main_bottom/pot_sw2: length 42.7
  Top w0.5: NT5.1 287.55,715 ; NT5#2.1 279.55,391 ; C25.1 277.53,391.05 C24.1 C21#2.1 269.5,391.51 268,393.01 268,395.55 J33.8 ; C25#2.1 285.53,715.05 C24#2.1 C21.1 277.5,715.51 276,717.01 276,719.55 J33#2.8
/bommanoid_main_bottom/prg: length 88.2
  Top w0.2: v1(417.1,385.6) 417.46,385.96 J13#2.2 ; J9#2.2 428,697.4 v1(422.4,703) ; v1(425.1,709.6) 425.46,709.96 J13.2 ; v1(414.4,379) 420,373.4 J9.2
  Bottom w0.2: v1(425.1,709.6) 425.1,705.7 v1(422.4,703) ; v1(414.4,379) 417.1,381.7 v1(417.1,385.6)
/bommanoid_main_bottom/sys_5v: length 581.5
  Top w0.2: v1(380.18,384.3) 379.46,383.58 377.46,383.58 372.54,388.5 J17#2.2 ; v1(287.1,706.2) 287.1,704.3 288.35,703.05 ; 280.35,379.05 279.1,380.3 v1(279.1,382.2) ; D15.2 401.99,384.41 402.08,384.5 ; v1(388.18,708.3) 387.46,707.58 385.46,707.58 380.54,712.5 J17.2 ; 410.08,708.5 409.99,708.41 D15#2.2
  Top w0.5: J8.3 330,368 v1(329.75,368.25) 329.75,369.57 339.58,379.4 v1(356.28,379.4) ; J22.6 270.55,713.5 NT5.2 287.9,711.9 287.9,703.5 299.1,692.3 324.8,692.3 v1(327.3,694.8) ; v1(380.18,384.3) 380.38,384.5 432.92,384.5 J13#2.3 ; J13.3 440.92,708.5 388.38,708.5 v1(388.18,708.3) ; J8#2.3 338,692 v1(337.75,692.25) 337.75,693.57 347.58,703.4 v1(364.28,703.4) ; J22#2.6 262.55,389.5 NT5#2.2 279.9,387.9 279.9,379.5 291.1,368.3 316.8,368.3 v1(319.3,370.8)
  Bottom w0.2: D9.2 287.1,699.4 v1(287.1,706.2) ; v1(364.28,703.4) 364.38,703.3 D14.2 ; v1(356.28,379.4) 356.38,379.3 D14#2.2 ; v1(279.1,382.2) 279.1,375.4 D9#2.2